# Altium PCB DevKITV3.PcbDoc (part 3 of 5)
Units mm, origin at the board's own origin, x right, y up, seen from the top; angles counter-clockwise.
Board outline 140 x 140 mm, 8 copper layers (Top Layer, Layer 2, Layer 3, Layer 4, Layer 5, Layer 6, Layer 7, Bottom Layer), stack 1.479 mm thick; 438 components, 315 nets, 1726 pads, 441 vias.
Unrouted connection lines stored in the file: 394.
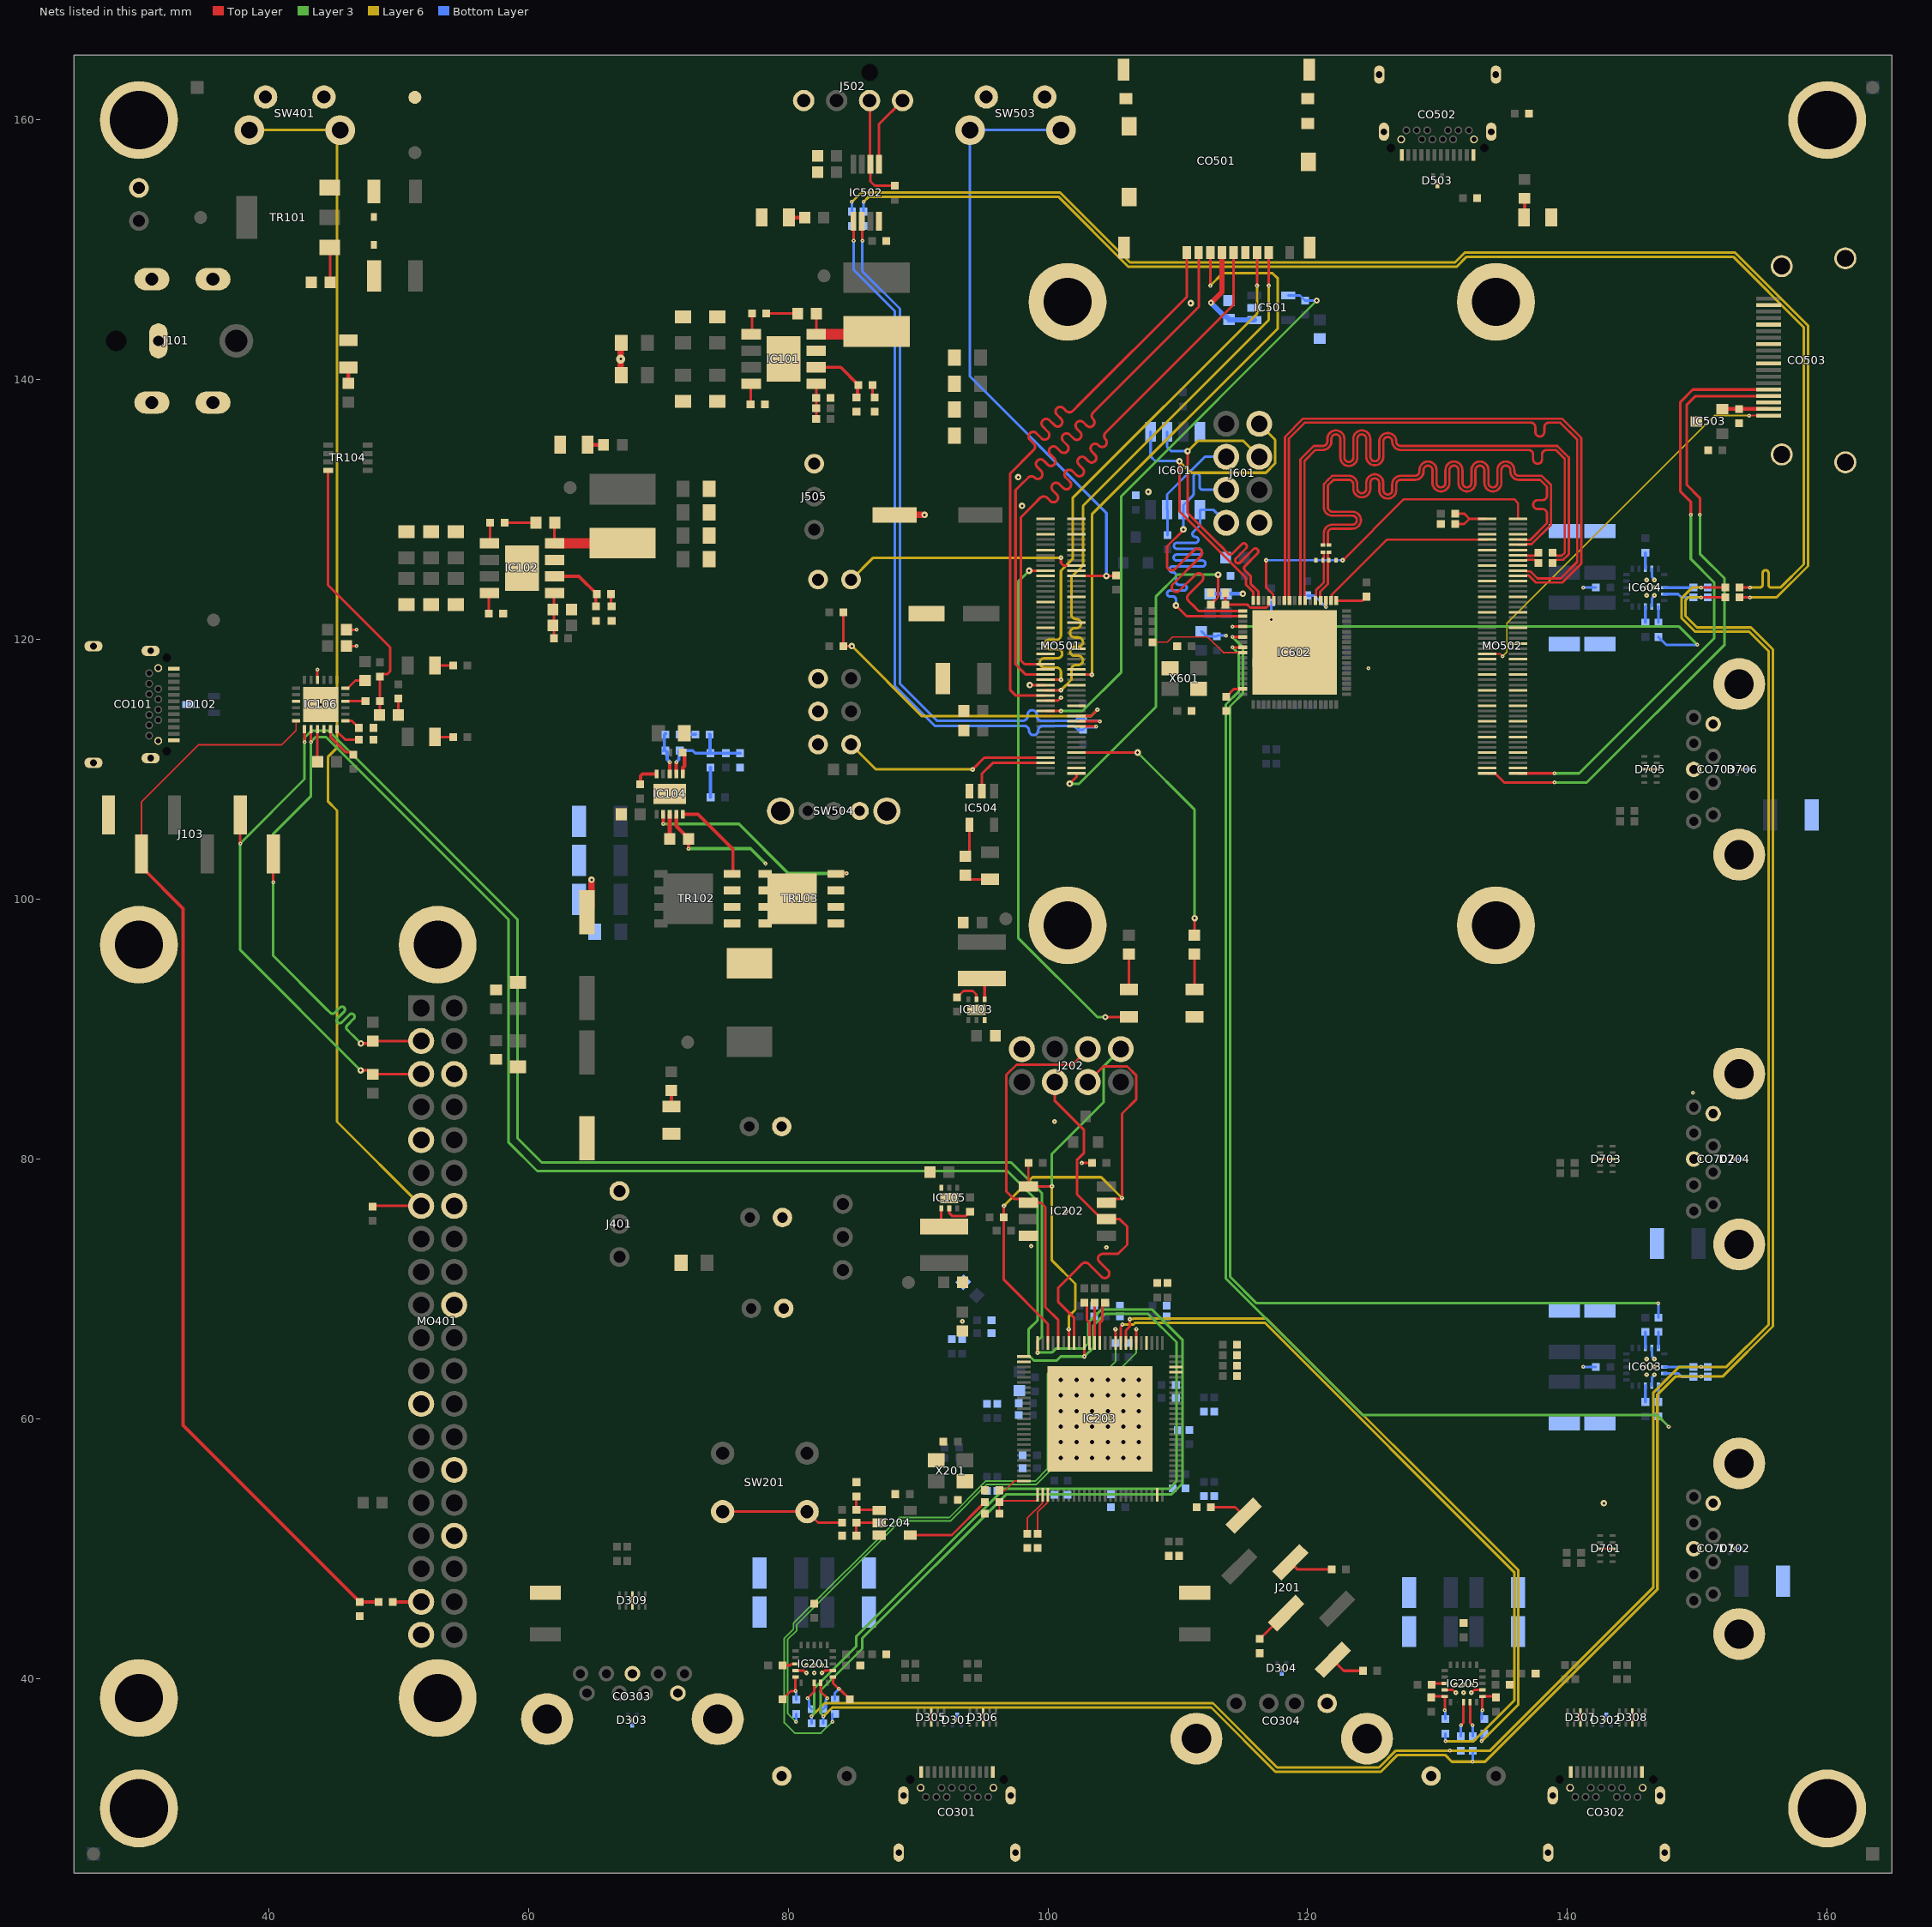
[diagram p9: the nets of this part, all layers, seen from the top]

## Via types
v1: diameter 0.3, hole 0.1, Top Layer to Bottom Layer, 136 vias
v2: diameter 0.35, hole 0.1, Top Layer to Bottom Layer, 106 vias
v3: diameter 1, hole 0.5, Top Layer to Bottom Layer, 54 vias
v4: diameter 0.5, hole 0.2, Top Layer to Bottom Layer, 53 vias
v5: diameter 0.7, hole 0.2, Top Layer to Bottom Layer, 37 vias
v6: diameter 0.6, hole 0.33, Top Layer to Bottom Layer, 36 vias
v7: diameter 0.45, hole 0.2, Top Layer to Bottom Layer, 15 vias
v8: diameter 0.4, hole 0.1, Top Layer to Bottom Layer, 2 vias
v9: diameter 1, hole 0.2, Top Layer to Bottom Layer, 1 vias
v10: diameter 1, hole 0.25, Top Layer to Bottom Layer, 1 vias

## Nets (pads, with @x,y where several pads share a name; then routed paths per layer and width w, separated by ;. In a path a pad name is that pad's centre, name@x,y a point inside that pad or via, vN(x,y) a via of type N, cw(c..) or ccw(c..) an arc to the next point about the centre after c; other vN are vias at no path point) (continued)
GND: C102.2 C103.2 C104.2 C105.2 C107.2 C108.2 C109.2 C110.2 C111.2 C112.2 C113.2 C114.2 C115.2 C116.2 C118.2 C119.2 C120.2 C121.2 C123.2 C124.2 C125.2 C126.2 C127.2 C128.2 C129.2 C130.2 C131.2 C132.2 C133.2 C134.2 C136.2 C137.2 C139.2 C140.2 C144.2 C145.2 C151.2 C152.2 C153.2 C154.2 C155.2 C156.2 C157.2 C201.2 C202.2 C203.2 C204.2 C205.2 C206.2 C207.2 C208.2 C209.2 C210.2 C211.2 C212.2 C213.2 C214.2 C215.2 C216.2 C217.2 C218.2 C219.2 C220.2 C221.2 C222.2 C223.2 C224.2 C225.2 C226.2 C227.2 C228.2 C229.2 C230.2 C231.2 C232.2 C233.2 C234.2 C235.2 C236.2 C237.2 C238.2 C239.2 C240.2 C241.2 C242.2 C246.2 C247.2 C250.2 C253.2 C254.2 C255.2 C261.1 C262.2 C301.2 C302.2 C303.2 C304.2 C401.2 C402.2 C403.2 C404.2 C405.2 C406.2 C501.2 C502.2 C503.2 C504.2 C505.2 C506.2 C507.2 C508.2 C509.2 C510.2 C511.2 C512.2 C601.2 C602.2 C603.2 C604.2 C605.2 C606.2 C607.2 C608.2 C609.2 C610.2 C611.2 C612.2 C613.2 C614.2 C615.2 C616.2 C617.2 C618.2 C619.2 C629.1 C631.2 C632.2 C633.2 C634.2 C635.2 C636.2 C637.2 C638.2 C639.2 C640.2 C641.2 C701.2 C702.2 C703.2 CO101.1 CO101.12 CO101.21 CO101.32 CO101.SH CO301.1 CO301.12 CO301.21 CO301.32 CO301.SH CO302.1 CO302.12 CO302.21 CO302.32 CO302.SH CO303.4 CO303.7 CO303.SH CO304.4 CO304.SH CO501.6 CO501.GND CO502.1 CO502.12 CO502.21 CO502.32 CO502.SH CO503.2 CO503.5 CO503.8 CO503.11 CO503.17 CO503.20 CO701.4 CO701.7 CO701.SH CO702.4 CO702.7 CO702.SH CO703.4 CO703.7 CO703.SH D101.A D102.3 D103.K D104.K D105.K D106.K D301.3 D302.3 D303.3 D304.3 D305.3 D305.8 D306.3 D306.8 D307.3 D307.8 D308.3 D308.8 D309.3 D309.8 D501.K D503.3 D504.K D701.3 D701.8 D702.3 D703.3 D703.8 D704.3 D705.3 D705.8 D706.3 H1.1 H2.1 H3.1 H4.1 IC101.7 IC101.9 IC102.7 IC102.9 IC103.6 IC103.7 IC104.11 IC105.6 IC105.7 IC106.3 IC106.10 IC106.22 IC106.25 IC201.2 IC201.14 IC201.17 IC202.4 IC203.24 IC203.101 IC204.3 IC205.2 IC205.14 IC205.17 IC501.2 IC502.4 IC503.3 IC504.3 IC601.4 IC602.69 IC603.2 IC603.14 IC603.17 IC604.2 IC604.14 IC604.17 J101.2 J102.2 J103.6 J202.1 J401.3 J502.4 J504.2 J505.3 J507.1 J508.1 J509.1 J601.1 MO401.6 MO401.9 MO401.14 MO401.20 MO401.25 MO401.30 MO401.34 MO401.39 MO402.GND MO403.GND MO404.GND MO405.GND MO501.1 MO501.2 MO501.7 MO501.8 MO501.13 MO501.14 MO501.22 MO501.23 MO501.32 MO501.33 MO501.42 MO501.43 MO501.52 MO501.53 MO501.59 MO501.60 MO501.65 MO501.66 MO501.71 MO501.74 MO501.98 MO502.107 MO502.108 MO502.113 MO502.114 MO502.119 MO502.120 MO502.125 MO502.126 MO502.131 MO502.132 MO502.137 MO502.138 MO502.144 MO502.150 MO502.155 MO502.156 MO502.161 MO502.162 MO502.167 MO502.168 MO502.173 MO502.174 MO502.179 MO502.180 MO502.185 MO502.186 MO502.191 MO502.192 MO502.197 MO502.198 MO503.GND MO504.GND MO505.GND MO506.GND R104.1 R105.1 R109.1 R117.1 R126.1 R127.1 R202.1 R205.1 R206.2 R209.1 R210.1 R211.1 R216.1 R218.1 R219.1 R220.1 R221.1 R222.1 R223.1 R224.1 R225.1 R226.1 R227.1 R231.1 R241.1 R244.1 R247.1 R406.1 R502.1 R506.1 R509.1 R605.1 R606.1 R610.1 R619.1 SW401.1 SW401.2 SW503.1 SW503.2 SW504.3 SW504.GND TP_GND.1 TR103.1 TR103.2 TR103.3 X201.2 X201.4 X601.2 X601.4 | length 136.2
  Top Layer w0.127: D309.3@68,45.525 D309.8@68,46.475 ; D305.3@91,36.525 D305.8@91,37.475 ; D306.3@95,36.525 D306.8@95,37.475 ; D503.3@130,154.875 v1(130,155.3) ; D307.3@141,36.525 D307.8@141,37.475 ; D701.8@142.525,50 D701.3@143.475,50 ; D703.8@142.525,80 D703.3@143.475,80 ; D308.3@145,36.525 D308.8@145,37.475 ; D705.8@145.925,110 v1(146.4,110) D705.3@146.875,110
  Top Layer w0.2: IC106.22@43.75,116.9 v1(43.75,117.675) ; C144.2@45.975,119.5 v1(46.75,119.5) ; C145.2@45.975,120.75 v1(46.75,120.75) ; IC201.14@80.55,40.625 81.159,40.625 81.359,40.425 v2(81.4,40.425) ; v2(82.6,40.425) 82.641,40.425 82.841,40.625 IC201.2@83.45,40.625 ; v4(98.6,116.5) MO501.65@99.81,116.5 ; MO501.71@99.81,115.3 100.775,115.3 v2(101,115.525) ; v2(102.6,79.7) C242.2@103.4,79.7 ; IC205.14@130.55,39.125 131.159,39.125 131.359,38.925 v2(131.4,38.925) ; v2(132.6,38.925) 132.641,38.925 132.841,39.125 IC205.2@133.45,39.125
  Top Layer w0.5: C401.2@64.5,99 64.85,99.35 v4(64.85,101.5) ; C108.2@67.15,140.35 67.1,140.4 v5(67.1,141.6) 67.1,142.8 C109.2@67.15,142.85 ; C503.2@88.2,129.6 v4(90.5,129.6)
  Bottom Layer w0.127: D303.3@68,36.375 v1(68,36.8) ; v1(93,36.8) D301.3@93,37.225 ; D304.3@118,40.375 v1(118,40.8) ; v1(143,36.8) D302.3@143,37.225 ; v1(152.9,50) D702.3@153.325,50 ; v1(152.9,80) D704.3@153.325,80 ; v1(153.5,110) D706.3@153.925,110
  Bottom Layer w0.2: v6(101,60.6) v6(102.2,60.6) v6(107,60.6) v6(103.4,60.6) v6(103.4,61.8) ; C603.2@111.8,120.625 111.825,120.625 112.2,120.25 C605.2@113,120.25 113.05,120.3 v1(113.7,120.3) ; C616.2@116.6,116.05 C606.2@117.8,116.05 C615.2@119,116.05 C617.2@120.2,116.05 C608.2@121.2,116.05 121.4,116.25 121.6,116.25 C618.2@121.95,116.6 C607.2@121.95,117.8 C612.2@121.95,119 C619.2@121.95,120.2 C609.2@121.95,121.4 ; v4(117.2,121.55) C613.2@117.2,122.85 ; v1(141.2,64) C632.2@142.2,64 ; v1(141.2,124) C637.2@142.2,124 ; IC603.2@146.5,62.55 146.5,63.159 146.7,63.359 v2(146.7,63.4) ; IC603.14@146.5,65.45 146.5,64.841 146.7,64.641 v2(146.7,64.6) ; IC604.2@146.5,122.55 146.5,123.159 146.7,123.359 v2(146.7,123.4) ; IC604.14@146.5,125.45 146.5,124.841 146.7,124.641 v2(146.7,124.6) ; v6(101,58.2) v6(101,59.4) ; v6(101,58.2) v6(101,57) v6(102.2,57) ; v6(101,58.2) v6(102.2,58.2) ; v6(101,59.4) v6(101,61.8) ; v6(101,59.4) v6(102.2,59.4) ; v6(101,61.8) v6(102.2,61.8) ; v6(101,61.8) v6(101,63) v6(102.2,63) ; v6(102.2,57) v6(103.4,57) ; v6(102.2,57) v6(102.2,58.2) ; v6(102.2,58.2) v6(102.2,59.4) ; v6(102.2,58.2) v6(103.4,58.2) ; v6(102.2,59.4) v6(102.2,61.8) ; v6(102.2,59.4) v6(103.4,59.4) ; v6(102.2,61.8) v6(102.2,63) ; v6(102.2,61.8) v6(103.4,61.8) ; v6(102.2,63) v6(103.4,63) ; v6(103.4,57) v6(104.6,57) ; v6(103.4,57) v6(103.4,58.2) ; v6(103.4,58.2) v6(103.4,59.4) ; v6(103.4,58.2) v6(104.6,58.2) ; v6(103.4,59.4) v6(103.4,61.8) ; v6(103.4,59.4) v6(104.6,59.4) ; v6(103.4,61.8) v6(103.4,63) ; v6(103.4,61.8) v6(104.6,61.8) ; v6(103.4,63) v6(104.6,63) ; v6(104.6,57) v6(107,57) v6(107,58.2) ; v6(104.6,57) v6(104.6,58.2) ; v6(104.6,58.2) v6(104.6,59.4) ; v6(104.6,58.2) v6(107,58.2) ; v6(104.6,59.4) v6(104.6,61.8) ; v6(104.6,59.4) v6(107,59.4) ; v6(104.6,61.8) v6(104.6,63) ; v6(104.6,61.8) v6(107,61.8) ; v6(104.6,63) v6(107,63) v6(107,61.8) ; v6(105.8,58.2) v6(105.8,59.4) ; v6(105.8,58.2) v6(107,58.2) ; v6(105.8,58.2) v6(105.8,57) v6(105.8,63) v6(105.8,61.8) ; v6(105.8,59.4) v6(105.8,61.8) ; v6(105.8,59.4) v6(107,59.4) ; v6(105.8,61.8) v6(107,61.8) ; v6(107,58.2) v6(107,59.4) ; v6(107,59.4) v6(107,61.8)
  Bottom Layer w0.3: C610.2@112.5,123.525 C611.2@113.7,123.525 v4(115,123.525)
  other v1: 68,46 149.675,85.1 124.675,117.775
  other v2: 132,38.925 131.4,39.525 132,39.525 132.6,39.525 82,40.425 81.4,41.025 82,41.025 82.6,41.025 146.1,63.4 146.1,64 146.7,64 146.1,64.6 93.4,67.5 104.5,73.2 98.7,73.3 101.4,76 100.5,82.9 146.1,123.4 146.1,124 146.7,124 146.1,124.6
  other v4: 142.8,53.5 44,115 119,119 98,130.3 107.725,131.375 97.7,132.5 111,145.9
  other v6: 104.6,60.6 105.8,60.6
GPIO70: IC203.47
GPIO71: IC203.48
GPIO78: IC203.57
GPIO91: IC203.76
GPIO92: IC203.77
GPIO_VREF: MO501.78 R519.2 R520.2 | length 26.4
  Top Layer w0.2: R519.2@84.25,122.1 R520.2@84.25,119.5 v4(84.9,119.5) ; MO501.78@102.19,114.1 103.3,114.1 v2(103.8,114.6)
  Layer 6 w0.2: v4(84.9,119.5) 90.3,114.1 103.3,114.1 v2(103.8,114.6)
HDMI_5V: C510.1 CO503.18 IC503.2 | length 3.6
  Top Layer w0.3: IC503.2@151.925,137.75 C510.1@153.225,137.75 CO503.18@155.5,137.75
HDMI_SCL: CO503.15 MO502.200 | length 45.9
  Top Layer w0.2: MO502.200@136.19,109.7 v1(139,109.7) ; v1(149.5,129.6) 149.5,130.6 148.7,131.4 148.7,138.3 149.65,139.25 CO503.15@155.5,139.25
  Layer 3 w0.2: v1(139,109.7) 140.9,109.7 151.3,120.1 151.3,124.4 149.5,126.2 v1(149.5,129.6)
HDMI_SDA: CO503.16 MO502.199 | length 49.2
  Top Layer w0.2: MO502.199@133.81,109.7 134.425,109.7 135.125,109 v1(139,109) ; v1(150.2,129.6) 150.2,130.9 149.2,131.9 149.2,138.093 149.857,138.75 CO503.16@155.5,138.75
  Layer 3 w0.2: v1(139,109) 141.5,109 152.1,119.6 152.1,124.7 150.2,126.6 v1(150.2,129.6)
Hotplug: CO503.19 MO502.153 | length 30.8
  Top Layer w0.127: MO502.153@133.81,118.9 134.8,118.9 v1(135,118.7)
  Top Layer w0.152: v1(153.975,137.25) CO503.19@155.5,137.25
  Layer 6 w0.127: v1(135,118.7) 135.338,119.039 135.338,121.257 151.331,137.25 v1(153.975,137.25)
I2C0_SCL_CM4: IC502.2 MO501.80 R511.2 R517.2 | length 57.6
  Top Layer w0.2: IC502.2@85.675,152.2 85.687,152.188 85.687,150.713 v1(85.7,150.7) ; MO501.80@102.19,113.7 v1(104,113.7)
  Bottom Layer w0.2: R517.2@85.8,151.85 85.7,151.75 v1(85.7,150.7) 85.7,148.366 88.6,145.466 88.6,116.6 91.45,113.75 97.5,113.75 98.076,113.75 ccw(c98.076,114.104) 98.43,114.104 98.43,114.209 cw(c98.784,114.209) 99.138,114.209 99.138,114.104 ccw(c99.492,114.104) 99.492,113.75 100.3,113.75 102.1,113.75 102.3,113.95 R511.2@102.7,113.95 102.9,113.75 103.923,113.75 103.973,113.7 v1(104,113.7)
I2C0_SCL_Zero: IC106.7 IC203.75 J103.2 MO401.5 R240.1 R246.1 R403.2 R507.1 R620.1 R622.1 | length 362.3
  Top Layer w0.2: v1(37.8,104.3) 37.8,106.49 J103.2@37.81,106.5 ; v1@42.742,112.133 v1(42.75,112.125) IC106.7@42.75,113.1 ; v4(47.075,86.825) 47.7,86.825 R403.2@48,86.525 48.025,86.55 MO401.5@51.736,86.55 ; v2(99.2,65.1) IC203.75@99.2,65.85 ; v1(150.3,123.25) R507.1@152.15,123.25
  Layer 3 w0.2: v4(47.075,86.825) 37.8,96.1 v1(37.8,104.3) 42.75,109.25 v1(42.75,112.125) 42.75,112.45 43.3,113 44.6,113 59.15,98.45 59.15,81.6 61,79.75 97.155,79.75 99.525,77.38 99.525,66.325 99.2,66 v2(99.2,65.1) 100.3,65.1 100.6,65.4 102.7,65.4 103.1,65.8 103.1,67.4 104.1,68.4 108.036,68.4 110.35,66.086 110.35,55.014 109.536,54.2 96.8,54.2 85.7,43.1 85.7,42.3 82.5,39.1 82.5,37.327 82.7,37.127 v1(82.7,37.1)
  Layer 6 w0.2: v1(82.7,37.1) 82.727,37.1 83.402,37.775 112.565,37.775 117.51,32.83 125.626,32.83 126.921,34.125 130.575,34.125 131.1,33.6 v1(132.7,33.6) 133.66,33.6 146.925,46.865 146.925,56.425 146.925,61.865 148.31,63.25 v1(150.3,63.25) 151.95,63.25 155.825,67.125 155.825,84.475 155.825,119.235 154.135,120.925 149.975,120.925 149.1,121.8 149.1,123.04 149.31,123.25 v1(150.3,123.25)
  Bottom Layer w0.2: R240.1@82.7,36.55 v1(82.7,37.1) ; v1(132.7,33.6) R246.1@132.7,34.45 ; v1(150.3,63.25) R620.1@150.8,63.25 ; v1(150.3,123.25) R622.1@150.8,123.25
I2C0_SDA_CM4: IC502.1 MO501.82 R512.2 R518.2 | length 57.6
  Top Layer w0.2: IC502.1@85.025,152.2 85.025,150.725 v1(85.038,150.713) ; MO501.82@102.19,113.3 v1(103.7,113.3)
  Bottom Layer w0.2: R518.2@84.9,151.85 85.038,151.713 v1(85.038,150.713) 85.038,148.462 88.2,145.3 88.2,116.434 91.284,113.35 97.5,113.35 98.184,113.35 cw(c98.184,112.996) 98.538,112.996 ccw(c98.892,112.996) 99.246,112.996 cw(c99.6,112.996) 99.6,113.35 99.7,113.35 102,113.35 102.3,113.05 R512.2@102.7,113.05 102.9,113.25 103.623,113.25 103.673,113.3 v1(103.7,113.3)
I2C0_SDA_Zero: IC106.8 IC203.66 J103.1 MO401.3 R238.1 R245.1 R402.2 R503.1 R617.1 R618.1 | length 362.3
  Top Layer w0.2: v1(40.35,101.31) J103.1@40.35,103.5 ; v1@43.242,112.133 v1(43.25,112.125) IC106.8@43.25,113.1 ; v4(47.1,88.9) 47.825,88.9 R402.2@48,89.075 48.015,89.09 MO401.3@51.736,89.09 ; v2(102.8,64.8) IC203.66@102.8,65.85 ; v1(150.3,124) R503.1@152.15,124
  Layer 3 w0.2: v4(47.1,88.9) 46.421,89.579 46.35,89.65 46.029,89.971 cw(c46.19,90.131) 46.029,90.292 46.544,90.806 ccw(c46.383,90.967) 46.544,91.127 ccw(c46.383,90.967) 46.223,91.127 45.62,90.525 cw(c45.459,90.685) 45.299,90.525 cw(c45.459,90.685) 45.299,90.846 45.801,91.348 ccw(c45.641,91.509) 45.801,91.669 ccw(c45.641,91.509) 45.48,91.669 45.066,91.255 cw(c44.906,91.415) 44.745,91.255 44.454,91.546 44.383,91.617 40.35,95.65 v1(40.35,101.31) 40.35,105.05 43.25,107.95 v1(43.25,112.125) 43.625,112.5 44.4,112.5 58.475,98.425 58.475,81.275 60.675,79.075 96.875,79.075 99.2,76.75 99.2,67.575 98.5,66.875 98.5,64.9 98.9,64.5 100.68,64.5 100.98,64.8 v2(102.8,64.8) 103.5,65.5 103.5,67.2 104.375,68.075 107.725,68.075 109.9,65.9 109.9,55.2 109.3,54.6 96.6,54.6 92.5,50.5 85.25,43.25 85.25,42.5 82,39.25 82,37.327 81.8,37.127 v1(81.8,37.1)
  Layer 6 w0.2: v1(81.8,37.1) 82.8,38.1 112.7,38.1 117.645,33.155 125.492,33.155 126.787,34.45 v1(130.95,34.45) 134.05,34.45 146.6,47 146.6,62 148.6,64 v1(150.3,64) 152.24,64 155.5,67.26 155.5,119.1 154,120.6 149.84,120.6 148.775,121.665 148.775,123.175 149.6,124 v1(150.3,124)
  Bottom Layer w0.2: R238.1@81.8,36.55 v1(81.8,37.1) ; v1(130.95,34.45) R245.1@131.8,34.45 ; v1(150.3,64) R617.1@150.8,64 ; v1(150.3,124) R618.1@150.8,124
MSTR_I2C_CLK: IC203.2 R225.2 | length 3.5
  Top Layer w0.127: R225.2@98.4,51.15 98.4,52.351 99.567,53.518 99.567,54.117 IC203.2@99.6,54.15
MSTR_I2C_DATA: IC203.3 R226.2 | length 3.3
  Top Layer w0.127: R226.2@99.2,51.15 99.2,52.8 99.964,53.563 99.964,54.113 IC203.3@100,54.15
NEEPROM_WP: J504.1 MO501.20 | length 18.5
  Top Layer w0.2: v2(101,126.3) 101,125.9 101.2,125.7 MO501.20@102.19,125.7
  Layer 6 w0.2: J504.1@84.835,124.62 84.867,124.62 86.547,126.3 v2(101,126.3)
NetC101_1: C101.1 R101.1 | length 2.4
  Top Layer w0.2: C101.1@78.3,145.1 R101.1@80.725,145.1
NetC101_2: C101.2 IC101.1 | length 1.6
  Top Layer w0.2: IC101.1@77.15,143.505 77.2,143.555 C101.2@77.2,145.1
NetC106_2: C106.2 IC101.5 R102.1 R104.2 | length 2.7
  Top Layer w0.2: C106.2@82.15,137 R102.1@82.15,137.8 R104.2@82.15,138.6 IC101.5@82.15,139.695
NetC114_1: C114.1 IC101.4 | length 1.6
  Top Layer w0.2: C114.1@77.1,138.1 77.1,139.645 IC101.4@77.15,139.695
NetC115_1: C115.1 IC101.6 R103.2 | length 4.8
  Top Layer w0.254: IC101.6@82.15,140.965 84.035,140.965 R103.2@85.4,139.6 85.325,139.525 85.325,138.725 C115.1@85.25,138.65
NetC116_1: C116.1 R103.1 | length 1
  Top Layer w0.2: R103.1@86.5,139.6 86.5,138.8 C116.1@86.65,138.65
NetC117_1: C117.1 R106.1 | length 2.4
  Top Layer w0.2: C117.1@58.15,129 R106.1@60.575,129
NetC117_2: C117.2 IC102.1 | length 1.6
  Top Layer w0.2: IC102.1@57,127.405 57.05,127.455 C117.2@57.05,129
NetC122_2: C122.2 IC102.5 R107.1 R109.2 | length 3.5
  Top Layer w0.2: C122.2@61.95,120.1 61.95,121.2 61.95,122.2 61.95,123.545 IC102.5@62,123.595
NetC129_1: C129.1 IC102.4 | length 1.6
  Top Layer w0.2: C129.1@56.95,122 56.95,123.545 IC102.4@57,123.595
NetC130_1: C130.1 IC102.6 R108.2 | length 4.8
  Top Layer w0.254: IC102.6@62,124.865 63.885,124.865 R108.2@65.25,123.5 65.175,123.425 65.175,122.625 C130.1@65.1,122.55
NetC131_1: C131.1 R108.1 | length 1
  Top Layer w0.2: R108.1@66.35,123.5 66.35,122.7 C131.1@66.5,122.55
NetC135_1: C135.1 IC104.8 | length 1.9
  Top Layer w0.3: C135.1@70.875,104.65 IC104.8@70.875,106.55
NetC138_1: C138.1 C141.1 IC104.3 | length 3.4
  Top Layer w0.25: IC104.3@70.875,109.65 v1(70.875,110.55)
  Bottom Layer w0.25: C141.1@70.375,111.45 C141.1@70.462,111.538 ; C138.1@70.55,112.75 70.462,112.663 C141.1@70.462,111.538 ; v1(70.875,110.55) 70.875,110.564 70.675,110.764 70.675,111.325 C141.1@70.462,111.538
NetC138_2: C138.2 R114.2 | length 1.2
  Bottom Layer w0.25: C138.2@71.65,112.7 R114.2@72.85,112.7
NetC141_2: C141.2 C142.1 IC104.2 R114.1 R115.1 R117.2 | length 8.1
  Top Layer w0.25: IC104.2@71.375,109.65 v1(71.375,110.55)
  Bottom Layer w0.25: v1(71.375,110.55) 71.375,110.564 71.586,110.775 71.586,111.386 C141.2@71.65,111.45 72.638,111.45 72.838,111.25 C142.1@74,111.25 ; R114.1@73.95,112.7 73.975,112.675 73.975,111.275 C142.1@74,111.25 ; R117.2@76.3,111.25 R115.1@75.2,111.25 C142.1@74,111.25
NetC142_2: C142.2 R116.1 | length 2.3
  Bottom Layer w0.25: C142.2@74,110.15 74.013,110.137 74.013,107.862 R116.1@74.025,107.85
NetC143_1: C143.1 R119.2 | length 1.3
  Top Layer w0.2: R119.2@49.975,114.2 C143.1@49.975,115.45
NetC502_1: C502.1 CO501.4 IC501.1 | length 8.1
  Top Layer w0.4: v7(112.55,145.925) 113.4,146.775 CO501.4@113.4,149.8
  Bottom Layer w0.4: v7@112.56,145.915 113.6,144.875 113.725,144.875 113.975,144.625 115.875,144.625 IC501.1@115.9,144.6
NetD103_A: D103.A R129.2 | length 1.2
  Top Layer w0.3: D103.A@80.05,152.5 R129.2@81.275,152.5
NetD104_A: D104.A R130.2 | length 1.2
  Top Layer w0.3: R130.2@46.125,139.725 D104.A@46.125,140.95
NetD105_A: D105.A R131.2 | length 1.2
  Top Layer w0.3: D105.A@64.55,135 R131.2@65.775,135
NetD106_A: D106.A R132.2 | length 1.2
  Top Layer w0.25: D106.A@71,84.05 R132.2@71,85.275
NetD107_A: D107.A R123.1 | length 1.4
  Top Layer w0.2: D107.A@52.8,118 R123.1@54.2,118
NetD108_A: D108.A R124.1 | length 1.4
  Top Layer w0.2: D108.A@52.8,112.5 R124.1@54.2,112.5
NetD501_A: D501.A R504.2 | length 1.5
  Top Layer w0.254: D501.A@136.65,152.5 136.7,152.55 R504.2@136.7,153.975
NetD502_A: D502.A R510.1 | length 2.7
  Top Layer w0.2: D502.A@106.235,93.05 R510.1@106.235,95.775
NetD502_K: D502.K MO501.21 | length 41
  Top Layer w0.2: v4(98.55,125.3) MO501.21@99.81,125.3 ; v7(104.425,90.925) 106.21,90.925 D502.K@106.235,90.95
  Layer 3 w0.2: v4(98.55,125.3) 97.7,124.45 97.7,97.025 103.8,90.925 v7(104.425,90.925)
NetD504_A: D504.A R516.2 | length 2.7
  Top Layer w0.2: D504.A@111.275,93.05 R516.2@111.275,95.775
NetD505_K: D505.K R515.2 | length 2
  Top Layer w0.2: R515.2@93.63,101.86 93.955,101.535 D505.K@95.535,101.535
NetIC101_8: IC101.8 L101.1 R101.2 | length 6.3
  Top Layer w0.2: IC101.8@82.15,143.505 82.15,145.075 R101.2@82.175,145.1
  Top Layer w0.7: L101.1@86.58,143.505 L101.1@86.8,143.725
  Top Layer w0.8: IC101.8@82.15,143.505 L101.1@86.58,143.505
NetIC102_8: IC102.8 L102.1 R106.2 | length 6.3
  Top Layer w0.2: IC102.8@62,127.405 62,128.975 R106.2@62.025,129
  Top Layer w0.7: L102.1@66.43,127.405 L102.1@66.65,127.625
  Top Layer w0.8: IC102.8@62,127.405 L102.1@66.43,127.405
NetIC103_1: IC103.1 L103.1 | length 1.7
  Top Layer w0.25: L103.1@94.9,93.9 95.125,93.675 IC103.1@95.125,92.3
NetIC103_2: IC103.2 R110.2 | length 2.1
  Top Layer w0.2: R110.2@93,92.45 93.496,92.946 94.212,92.946 94.479,92.679 94.479,92.421 IC103.2@94.5,92.4
NetIC104_1: IC104.1 R111.2 | length 1.8
  Top Layer w0.3: IC104.1@71.875,109.65 71.875,110.125 72.026,110.276 72.026,110.524 ; R111.2@71.875,111.3 72.025,111.15 72.025,110.525
NetIC104_7: IC104.7 TR103.4 | length 17.2
  Top Layer w0.25: v1(70.375,105.8) IC104.7@70.375,106.55 ; TR103.4@83.75,102 v1(84.5,102)
  Layer 3 w0.25: v1(70.375,105.8) 76.2,105.8 80,102 v1(84.5,102)
NetIC104_10: IC104.10 TR102.4 | length 6.8
  Top Layer w0.25: IC104.10@71.875,106.55 73.05,106.55 75.75,103.85 TR102.4@75.75,102
NetIC105_1: IC105.1 L105.1 | length 1.5
  Top Layer w0.2: IC105.1@91.775,76.2 91.775,75.025 L105.1@92,74.8
NetIC105_2: IC105.2 R113.2 | length 2.1
  Top Layer w0.2: IC105.2@92.4,76.1 92.408,76.1 92.408,75.834 92.642,75.6 93.65,75.6 R113.2@94,75.95
NetIC106_9: IC106.9 R121.1 | length 2.5
  Top Layer w0.2: IC106.9@43.75,113.1 43.75,110.625 R121.1@43.775,110.6